# Altium PCB Archimajor.PcbDoc (part 6 of 12) (continued)
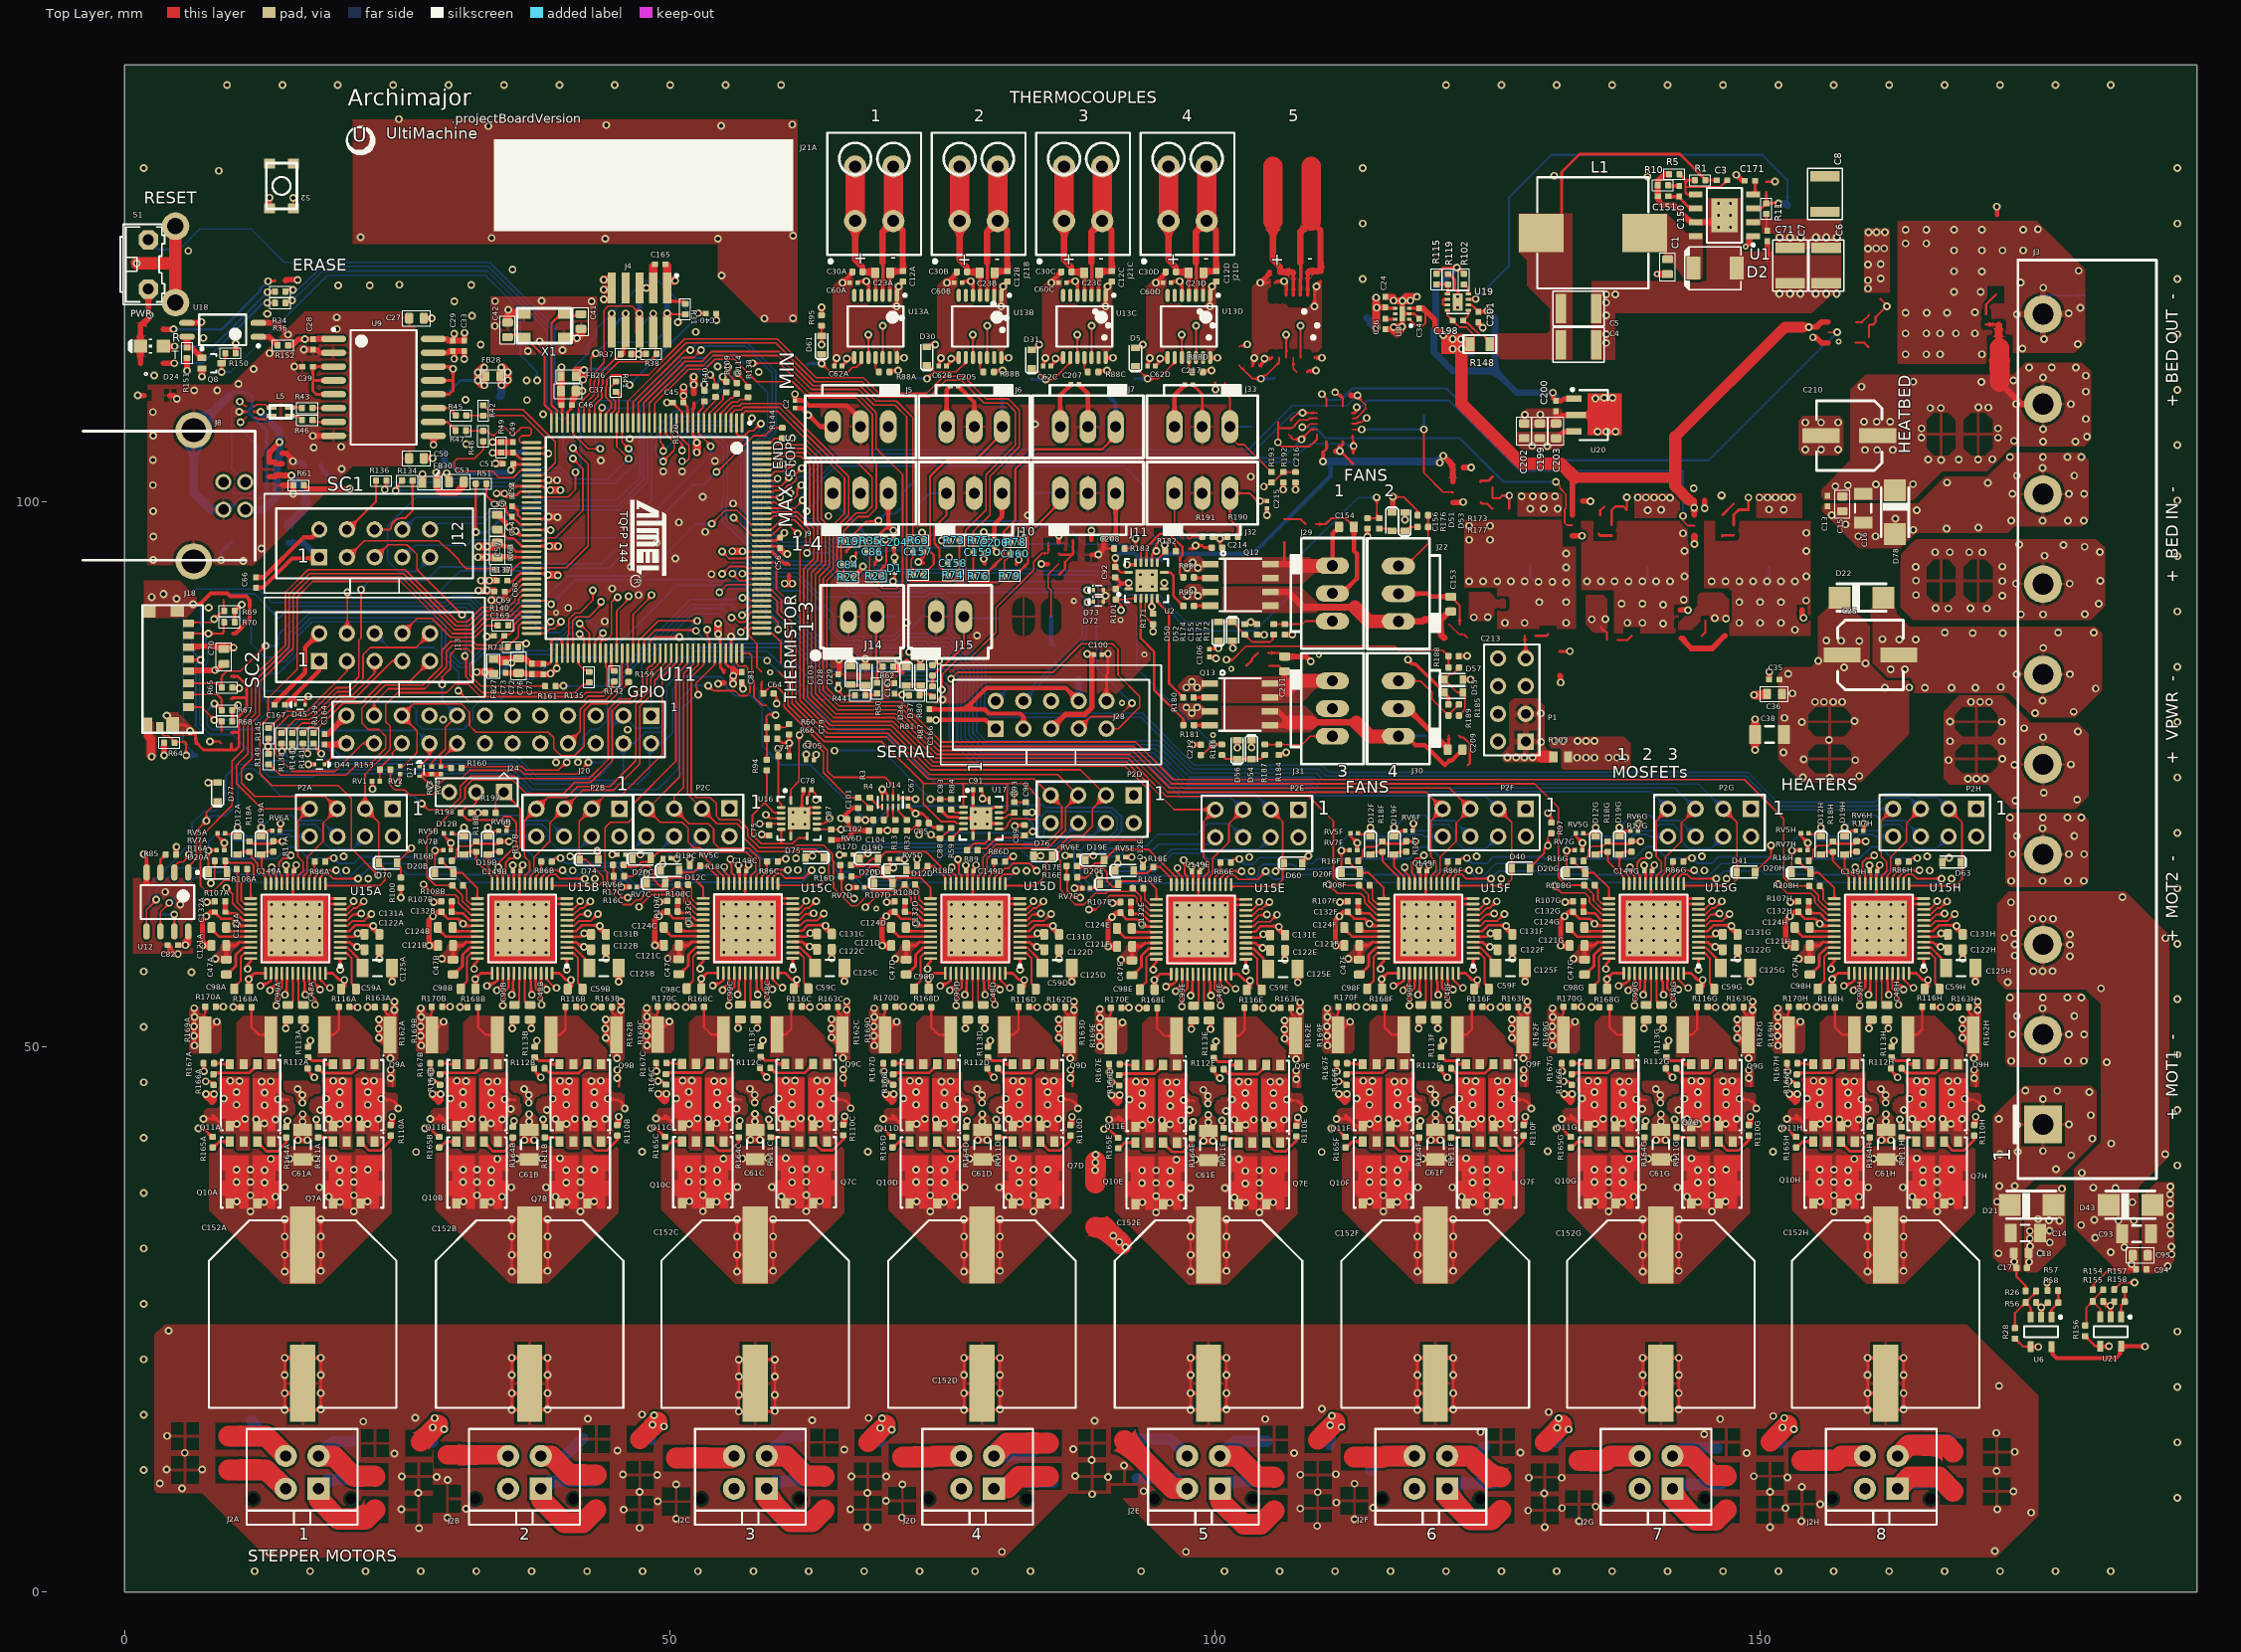
[diagram p0: Top Layer view]
## Nets (pads, with @x,y where several pads share a name; then routed paths per layer and width w, separated by ;. In a path a pad name is that pad's centre, name@x,y a point inside that pad or via, vN(x,y) a via of type N, cw(c..) or ccw(c..) an arc to the next point about the centre after c; other vN are vias at no path point) (continued)
  Top Layer w0.254: R167E.2@90.288,48.4 90.245,48.357 90.323,48.28 v1(90.323,47.664) ; v1(95.495,55.5) 96.072,55.73
  Mid1 w0.254: v1(90.323,47.664) 90.27,47.664 90.252,47.682 90.34,47.682 95.495,52.837 v1(95.495,55.5)
LA2F: R167F.2 U15F.38 | length 12.6
  Top Layer w0.229: 117.003,55.83 117.067,55.894 117.307,56.045 U15F.38@117.307,56.735
  Top Layer w0.254: R167F.2@111.13,48.475 111.087,48.433 111.165,48.356 v1(111.165,47.74) ; v1(116.337,55.575) 116.914,55.805
  Mid1 w0.254: v1(111.165,47.74) 111.112,47.74 111.095,47.758 111.182,47.758 116.337,52.913 v1(116.337,55.575)
LA2G: R167G.2 U15G.38 | length 12.6
  Top Layer w0.229: 137.653,55.83 137.717,55.894 137.958,56.045 U15G.38@137.958,56.735
  Top Layer w0.254: R167G.2@131.78,48.475 131.738,48.433 131.815,48.356 v1(131.815,47.74) ; v1(136.988,55.575) 137.564,55.805
  Mid1 w0.254: v1(131.815,47.74) 131.762,47.74 131.745,47.758 131.833,47.758 136.988,52.913 v1(136.988,55.575)
LA2H: R167H.2 U15H.38 | length 12.6
  Top Layer w0.229: 158.303,55.83 158.367,55.894 158.608,56.045 U15H.38@158.608,56.735
  Top Layer w0.254: R167H.2@152.43,48.475 152.388,48.433 152.465,48.356 v1(152.465,47.74) ; v1(157.638,55.575) 158.214,55.805
  Mid1 w0.254: v1(152.465,47.74) 152.413,47.74 152.395,47.758 152.483,47.758 157.638,52.913 v1(157.638,55.575)
LB1A: R112A.1 U15A.47 | length 11.8
  Top Layer w0.178: U15A.47@17.932,56.735 17.932,56.149 18.518,55.563 18.771,55.563 18.771,55.462 v1(18.847,55.385)
  Top Layer w0.254: R112A.1@16.792,48.019 16.944,47.867 16.944,47.636 v1(17.399,47.181)
  Mid1 w0.178: v1@18.847,55.309 v1(18.847,55.385)
  Mid1 w0.254: v1(17.399,47.181) 18.847,48.629 v1@18.847,55.309
LB1B: R112B.1 U15B.47 | length 11.8
  Top Layer w0.178: U15B.47@38.707,56.735 38.707,56.149 39.293,55.563 39.546,55.563 39.546,55.462 v1(39.622,55.385)
  Top Layer w0.254: R112B.1@37.567,48.019 37.719,47.867 37.719,47.636 v1(38.174,47.181)
  Mid1 w0.178: v1@39.622,55.309 v1(39.622,55.385)
  Mid1 w0.254: v1(38.174,47.181) 39.622,48.629 v1@39.622,55.309
LB1C: R112C.1 U15C.47 | length 11.8
  Top Layer w0.178: U15C.47@59.415,56.76 59.415,56.173 60.001,55.588 60.253,55.588 60.253,55.486 v1(60.33,55.41)
  Top Layer w0.254: R112C.1@58.275,48.044 58.427,47.891 58.427,47.66 v1(58.882,47.206)
  Mid1 w0.178: v1@60.33,55.334 v1(60.33,55.41)
  Mid1 w0.254: v1(58.882,47.206) 60.33,48.653 v1@60.33,55.334
LB1D: R112D.1 U15D.47 | length 11.8
  Top Layer w0.178: U15D.47@80.257,56.735 80.257,56.149 80.843,55.563 81.096,55.563 81.096,55.462 v1(81.172,55.385)
  Top Layer w0.254: R112D.1@79.117,48.019 79.269,47.867 79.269,47.636 v1(79.724,47.181)
  Mid1 w0.178: v1@81.172,55.309 v1(81.172,55.385)
  Mid1 w0.254: v1(79.724,47.181) 81.172,48.629 v1@81.172,55.309
LB1E: R112E.1 U15E.47 | length 11.8
  Top Layer w0.178: U15E.47@100.965,56.66 100.965,56.073 101.551,55.488 101.803,55.488 101.803,55.386 v1(101.88,55.31)
  Top Layer w0.254: R112E.1@99.825,47.944 99.977,47.791 99.977,47.56 v1(100.432,47.106)
  Mid1 w0.178: v1@101.88,55.234 v1(101.88,55.31)
  Mid1 w0.254: v1(100.432,47.106) 101.88,48.553 v1@101.88,55.234
LB1F: R112F.1 U15F.47 | length 11.8
  Top Layer w0.178: U15F.47@121.807,56.735 121.807,56.149 122.393,55.563 122.646,55.563 122.646,55.462 v1(122.722,55.385)
  Top Layer w0.254: R112F.1@120.667,48.019 120.819,47.867 120.819,47.636 v1(121.274,47.181)
  Mid1 w0.178: v1@122.722,55.309 v1(122.722,55.385)
  Mid1 w0.254: v1(121.274,47.181) 122.722,48.629 v1@122.722,55.309
LB1G: R112G.1 U15G.47 | length 11.8
  Top Layer w0.178: U15G.47@142.458,56.735 142.458,56.149 143.043,55.563 143.296,55.563 143.296,55.462 v1(143.372,55.385)
  Top Layer w0.254: R112G.1@141.317,48.019 141.47,47.867 141.47,47.636 v1(141.924,47.181)
  Mid1 w0.178: v1@143.372,55.309 v1(143.372,55.385)
  Mid1 w0.254: v1(141.924,47.181) 143.372,48.629 v1@143.372,55.309
LB1H: R112H.1 U15H.47 | length 11.8
  Top Layer w0.178: U15H.47@163.108,56.735 163.108,56.149 163.694,55.563 163.946,55.563 163.946,55.462 v1(164.022,55.385)
  Top Layer w0.254: R112H.1@161.967,48.019 162.12,47.867 162.12,47.636 v1(162.574,47.181)
  Mid1 w0.178: v1@164.022,55.309 v1(164.022,55.385)
  Mid1 w0.254: v1(162.574,47.181) 164.022,48.629 v1@164.022,55.309
LB2A: R113A.2 U15A.46 | length 7.8
  Top Layer w0.229: U15A.46@17.432,56.735 17.432,55.835 v1@17.882,55.385
  Top Layer w0.254: R113A.2@16.739,49.874 17.043,50.178 v1(17.043,50.559) ; v1@17.882,55.385 17.932,55.335 v1(17.932,55.233)
  Mid1 w0.254: v1(17.043,50.559) 18.212,51.728 18.212,54.471 17.932,54.75 v1(17.932,55.233) v1@17.907,55.258
LB2B: R113B.2 U15B.46 | length 7.8
  Top Layer w0.229: U15B.46@38.207,56.735 38.207,55.835 v1@38.657,55.385
  Top Layer w0.254: R113B.2@37.514,49.874 37.818,50.178 v1(37.818,50.559) ; v1@38.657,55.385 38.707,55.335 v1(38.707,55.233)
  Mid1 w0.254: v1(37.818,50.559) 38.987,51.728 38.987,54.471 38.707,54.75 v1(38.707,55.233) v1@38.682,55.258
LB2C: R113C.2 U15C.46 | length 7.8
  Top Layer w0.229: U15C.46@58.915,56.76 58.915,55.859 v1@59.364,55.41
  Top Layer w0.254: R113C.2@58.221,49.898 58.526,50.203 v1(58.526,50.584) ; v1@59.364,55.41 59.415,55.359 v1(59.415,55.257)
  Mid1 w0.254: v1(58.526,50.584) 59.695,51.752 59.695,54.495 59.415,54.775 v1(59.415,55.257) v1@59.39,55.283
LB2D: R113D.2 U15D.46 | length 7.8
  Top Layer w0.229: U15D.46@79.757,56.735 79.757,55.835 v1@80.207,55.385
  Top Layer w0.254: R113D.2@79.064,49.874 79.368,50.178 v1(79.368,50.559) ; v1@80.207,55.385 80.257,55.335 v1(80.257,55.233)
  Mid1 w0.254: v1(79.368,50.559) 80.537,51.728 80.537,54.471 80.257,54.75 v1(80.257,55.233) v1@80.232,55.258
LB2E: R113E.2 U15E.46 | length 7.8
  Top Layer w0.229: U15E.46@100.465,56.66 100.465,55.759 v1@100.914,55.31
  Top Layer w0.254: R113E.2@99.771,49.798 100.076,50.103 v1(100.076,50.484) ; v1@100.914,55.31 100.965,55.259 v1(100.965,55.157)
  Mid1 w0.254: v1(100.076,50.484) 101.245,51.652 101.245,54.395 100.965,54.675 v1(100.965,55.157) v1@100.94,55.183
LB2F: R113F.2 U15F.46 | length 7.8
  Top Layer w0.229: U15F.46@121.307,56.735 121.307,55.835 v1@121.757,55.385
  Top Layer w0.254: R113F.2@120.614,49.874 120.918,50.178 v1(120.918,50.559) ; v1@121.757,55.385 121.807,55.335 v1(121.807,55.233)
  Mid1 w0.254: v1(120.918,50.559) 122.087,51.728 122.087,54.471 121.807,54.75 v1(121.807,55.233) v1@121.782,55.258
LB2G: R113G.2 U15G.46 | length 7.8
  Top Layer w0.229: U15G.46@141.958,56.735 141.958,55.835 v1@142.407,55.385
  Top Layer w0.254: R113G.2@141.264,49.874 141.569,50.178 v1(141.569,50.559) ; v1@142.407,55.385 142.458,55.335 v1(142.458,55.233)
  Mid1 w0.254: v1(141.569,50.559) 142.737,51.728 142.737,54.471 142.458,54.75 v1(142.458,55.233) v1@142.432,55.258
LB2H: R113H.2 U15H.46 | length 7.8
  Top Layer w0.229: U15H.46@162.608,56.735 162.608,55.835 v1@163.057,55.385
  Top Layer w0.254: R113H.2@161.914,49.874 162.219,50.178 v1(162.219,50.559) ; v1@163.057,55.385 163.108,55.335 v1(163.108,55.233)
  Mid1 w0.254: v1(162.219,50.559) 163.387,51.728 163.387,54.471 163.108,54.75 v1(163.108,55.233) v1@163.082,55.258
LED_0: R36.1 U11.55 | length 51.3
  Top Layer w0.152: R36.1@14.758,118.198 15.009,118.198 15.307,118.496 15.362,118.441 v1(15.362,118.426) ; U11.55@37.329,96.388 38.43,96.388 38.703,96.66 39.522,96.66 42.037,99.175 42.037,103.002 v1(41.12,103.919)
  Bottom Layer w0.152: v1(15.362,118.426) 15.402,118.426 15.985,119.01 15.985,119.03 16.002,119.046 16.085,119.046 18.162,121.124 33.281,121.124 38.722,115.683 38.722,108.776 40.234,107.265 40.234,104.805 v1(41.12,103.919)
LED_1: R34.1 U11.60 | length 55
  Top Layer w0.152: R34.1@14.759,119.241 14.915,119.398 14.912,119.402 v1(15.459,119.402) ; U11.60@37.329,93.888 38.457,93.888 38.489,93.919 40.515,93.919 42.52,95.924 42.52,103.435 41.123,104.832 v1(41.123,104.877)
  Bottom Layer w0.152: v1(15.459,119.402) 15.937,119.402 18.101,121.565 33.343,121.565 39.078,115.83 39.078,108.96 41.123,106.915 v1(41.123,104.877)
M_nCS1: D70.K P2A.3 U11.83 U15A.13 | length 49
  Top Layer w0.152: U15A.13@18.432,64.935 18.432,64.76 23.393,64.76 23.918,65.284 23.918,66.243 D70.K@23.3,66.861 23.3,70.575 P2A.3@22.065,71.81 22.065,74.976 24.352,77.263 24.352,79.395 23.952,79.795 23.952,81.358 25.044,82.45 29.503,82.45 30.328,83.275 31.46,83.275 32.641,82.094 41.93,82.094 42.328,82.492 43.8,82.492 44.248,82.94 44.248,84.68 44.132,84.796 ; U11.83@44.129,86.088 44.132,86.084 44.132,84.796
M_nCS2: D74.K P2B.3 U11.96 U15B.13 | length 31.7
  Top Layer w0.152: U15B.13@39.207,64.935 39.207,64.76 43.475,64.76 43.869,65.154 43.869,65.587 42.302,67.154 D74.K@41.746,67.154 41.682,67.218 41.682,70.652 P2B.3@42.84,71.81 44.04,73.01 45.525,73.01 49.315,76.8 49.315,83.788 49.34,83.814 49.34,83.94 50.533,85.133 50.533,85.19 50.629,85.286 U11.96@50.629,86.088
M_nCS3: D75.K P2C.3 U11.100 U15C.13 | length 36
  Top Layer w0.152: U11.100@52.629,86.088 52.61,86.069 52.61,85.043 51.617,84.049 51.617,73.15 P2C.3@52.933,71.834 54.318,70.449 56.178,70.449 56.788,69.839 56.788,69.153 58.047,67.894 61.56,67.894 61.785,68.119 63.357,68.119 63.818,67.658 63.918,67.658 64.142,67.434 D75.K@64.142,67.334 64.544,66.932 64.544,66.923 64.573,66.894 64.573,65.639 63.718,64.784 59.915,64.784 U15C.13@59.915,64.96
M_nCS4: D76.K P2D.3 U11.128 U15D.13 | length 66.9
  Top Layer w0.152: U11.128@58.429,97.388 59.276,97.388 60.186,98.298 61.423,98.298 62.49,97.232 62.49,96.082 61.92,95.512 61.92,81.761 64.579,79.101 70.166,79.101 73.886,75.382 87.66,75.382 P2D.3@89.993,73.049 88.743,71.799 88.743,70.209 87.893,69.359 86.702,69.359 85.272,67.93 85.272,67.745 84.986,67.458 84.986,67.258 84.473,66.746 84.473,65.676 83.557,64.76 80.757,64.76 U15D.13@80.757,64.935
M_nCS5: D60.K P2E.3 U11.120 U15E.13 | length 75.5
  Top Layer w0.152: v1(56.652,93.368) 56.671,93.388 U11.120@58.429,93.388 ; U15E.13@101.465,64.86 101.465,64.684 105.559,64.684 106.185,65.31 106.185,70.647 P2E.3@105.098,71.734
  Bottom Layer w0.152: v1(56.652,93.368) 56.803,93.368 57.137,93.034 57.433,93.034 58.412,92.055 58.412,91.214 64.776,84.85 67.075,84.85 67.511,84.414 73.302,84.414 73.488,84.6 75.831,84.6 76.439,83.992 76.439,83.466 76.358,83.385 76.358,78.063 78.212,76.209 94.048,76.209 97.023,73.234 103.598,73.234 P2E.3@105.098,71.734
M_nCS6: D40.K P2F.3 U11.119 U15F.13 | length 100.4
  Top Layer w0.152: v1(55.731,93.383) 56.38,92.733 56.931,92.733 57.085,92.888 U11.119@58.429,92.888 ; U15F.13@122.307,64.935 122.307,64.76 126.575,64.76 127.175,65.36 127.175,70.575 P2F.3@125.94,71.81
  Bottom Layer w0.152: v1(55.731,93.383) 55.768,93.383 56.414,94.029 56.998,94.029 57.298,93.729 57.298,93.723 58.768,92.253 58.768,91.456 64.079,86.144 66.906,86.144 67.278,85.772 67.278,85.272 67.781,84.769 73.155,84.769 74.405,86.019 74.931,86.019 76.794,84.156 76.794,83.318 76.714,83.238 76.714,78.21 78.326,76.598 94.209,76.598 97.184,73.623 108.654,73.623 109.257,73.02 124.73,73.02 P2F.3@125.94,71.81
M_nCS7: D41.K P2G.3 U11.13 U15G.13 | length 137.8
  Top Layer w0.152: U11.13@50.629,107.188 50.629,106.228 51.772,105.085 51.772,103.918 51.532,103.678 v1(51.124,103.678) ; U15G.13@142.958,64.935 142.958,64.76 147.225,64.76 147.825,65.36 147.825,70.575 P2G.3@146.59,71.81
  Bottom Layer w0.152: v1(51.124,103.678) 51.608,103.678 51.766,103.836 51.766,105.692 52.17,106.096 53.831,106.096 54.918,105.009 54.918,100.335 54.802,100.22 54.802,98.149 55.433,97.519 55.514,97.519 57.618,95.415 57.618,94.918 58.365,94.171 58.365,94.165 59.883,92.647 59.883,92.197 60.271,91.809 61.943,91.809 64.644,89.108 64.644,88.282 65.664,87.262 67.365,87.262 67.428,87.2 67.525,87.2 67.818,86.907 70.777,86.907 71.396,87.525 73.58,87.525 74.02,87.086 75.424,87.086 77.861,84.649 77.861,82.877 77.781,82.796 77.781,78.723 78.82,77.684 94.659,77.684 97.634,74.709 109.104,74.709 109.726,74.087 144.313,74.087 P2G.3@146.59,71.81
M_nCS8: D63.K P2H.3 U11.15 U15H.13 | length 162.5
  Top Layer w0.152: v1(49.388,103.666) 50.391,104.67 50.391,105.42 49.629,106.182 U11.15@49.629,107.188 ; U15H.13@163.608,64.935 163.608,64.76 167.875,64.76 168.475,65.36 168.475,70.575 P2H.3@167.24,71.81
  Bottom Layer w0.152: v1(49.388,103.666) 48.692,104.362 48.692,105.381 50.639,107.328 55.499,107.328 56.848,105.979 56.848,97.693 58.685,95.856 58.685,95.36 59.432,94.613 59.432,94.607 60.22,93.818 64.407,93.818 66.633,91.593 68.657,91.593 68.991,91.259 73.522,91.259 73.843,91.58 75.001,91.58 75.819,90.762 75.819,88.2 78.928,85.091 78.928,82.435 78.848,82.354 78.848,81.205 79.492,80.56 93.34,80.56 98.07,75.83 109.781,75.83 110.446,75.165 148.817,75.165 151.561,72.421 160.526,72.421 161.301,73.195 164.137,73.195 164.473,72.859 166.191,72.859 P2H.3@167.24,71.81
MAX_ES1: C86.1 R23.1 R35.1 U11.32 | length 62.1
  Top Layer w0.152: U11.32@41.129,107.188 41.129,106.199 42.503,104.826 v1(43.625,104.826) ; v1(57.568,112.659) 60.071,112.659 62.822,109.909 67.162,109.909 68.923,108.148 68.923,104.879 71.343,102.459 71.343,92.584 70.768,92.009 69.563,92.009 68.666,92.906 68.66,92.906 68.438,93.128 R23.1@68.438,93.134 68.294,93.279 68.328,93.313 68.328,95.174 67.916,95.586 R35.1@67.916,96.43
  Bottom Layer w0.152: v1(43.625,104.826) 43.151,105.299 43.151,108.864 43.523,109.236 46.867,109.236 50.776,113.146 53.226,113.146 53.801,113.721 55.735,113.721 56.796,112.659 v1(57.568,112.659)
MAX_ES2: C158.1 R73.1 R74.1 U11.18 | length 52.7
  Top Layer w0.152: U11.18@48.129,107.188 48.129,109.01 51.578,112.459 51.597,112.459 51.602,112.465 53.071,112.465 53.979,113.374 59.86,113.374 62.969,110.264 67.31,110.264 68.735,108.839 70.638,108.839 71.718,107.759 71.718,92.939 72.001,92.656 75.861,92.656 R74.1@76.462,93.256
  Top Layer w0.203: R74.1@76.462,93.256 76.552,93.346 76.552,94.311 R73.1@76.552,96.421
MAX_ES3: C160.1 R78.1 R79.1 U11.22 | length 68.2
  Top Layer w0.152: U11.22@46.129,107.188 46.129,109.168 51.496,114.534 59.705,114.534 63.264,110.976 67.604,110.976 69.03,109.55 73.775,109.55 75.328,111.127 76.704,111.127 78.82,109.012 80.918,109.012 81.682,108.247 81.682,105.156 78.982,102.456 78.982,99.206 77.132,97.356 77.132,92.931 77.482,92.581 80.097,92.581 R79.1@80.684,93.167 80.684,94.515 81.032,94.864 81.032,95.106 81.132,95.206 C160.1@81.221,95.206 81.221,96.256 R78.1@81.219,96.258
MAX_ES4: C216.1 R192.1 R193.1 U11.122 | length 56.6
  Top Layer w0.152: U11.122@58.429,94.388 59.59,94.388 59.768,94.209 59.768,91.936 60.82,90.884 v1(61.243,90.884) ; v1(104.468,101.359) 104.619,101.359 104.808,101.548 104.987,101.548 R193.1@105.168,101.729 105.349,101.911 105.489,101.911 106.061,102.483 106.061,102.489 106.262,102.689 R192.1@106.268,102.689 106.273,102.684 C216.1@107.368,102.684
  Mid1 w0.152: v1(61.243,90.884) 63.918,90.884 66.458,93.425 72.991,93.425 77.675,98.109 101.217,98.109 v1(104.468,101.359)
MCCDA: J18.3 R65.2 TP15.1 U11.72 | length 43.2
  Top Layer w0.152: J18.3@5.89,83.326 8.52,83.326 R65.2@8.892,82.955 ; R65.2@8.892,82.83 R65.2@8.892,82.955 ; R65.2@8.916,82.931 R65.2@8.892,82.955 ; v1(12.929,86.754) 10.621,84.447 9.397,84.447 8.897,83.947 8.892,83.942 8.892,83.407 ; U11.72@37.329,87.888 38.573,87.888 39.009,88.323 39.388,88.323 v1(40.027,88.962) ; R65.2@8.892,82.955 8.892,83.4 ; 8.892,83.4 8.9,83.407 8.892,83.407 ; 8.892,83.4 8.892,83.407
  Bottom Layer w0.152: v1(12.929,86.754) 12.942,86.741 TP15.1@14.097,86.741 14.097,87.77 16.358,90.031 29.708,90.031 30.317,90.641 31.557,90.641 32.624,89.574 37.389,89.574 38.633,88.329 39.394,88.329 v1(40.027,88.962)
MCCK: J18.5 TP21.1 U11.71 | length 53.3
  Top Layer w0.152: J18.5@5.89,85.471 v1(6.985,85.471) ; v1(7.823,77.981) 8.698,77.981 8.897,77.782 ; U11.71@37.329,88.388 38.514,88.388 v1(39.091,88.964)
  Bottom Layer w0.152: v1@7.975,77.981 6.553,79.403 6.553,85.039 v1(6.985,85.471) 6.985,85.496 6.175,86.306 6.175,87.681 7.012,88.518 7.012,90.718 7.825,91.531 11.9,91.531 TP21.1@14.15,89.281 15.255,90.387 29.56,90.387 30.17,90.996 31.704,90.996 32.771,89.929 38.125,89.929 v1(39.091,88.964)
MCDA0: J18.7 R70.2 TP14.1 U11.107 | length 78.7
  Top Layer w0.152: J18.7@5.89,87.726 6.046,87.882 v1@7.696,87.882 ; v1(7.696,87.872) v1@7.696,87.882 ; v1@7.696,87.897 v1@7.696,87.882 ; R70.2@9.093,88.824 9.093,88.506 9.1,88.499 9.1,87.882 v1@7.696,87.882 ; v1(53.519,83.104) 53.987,82.635 55.975,82.635 56.435,82.175 57.038,82.175 57.356,82.493 57.356,83.156 57.156,83.355 57.156,84.727 56.97,84.912 56.801,84.912 56.796,84.908 56.32,84.908 56.129,85.099 U11.107@56.129,86.088
  Bottom Layer w0.152: v1@7.849,87.872 7.493,87.516 TP14.1@7.493,86.741 7.635,86.6 7.635,85.204 6.909,84.478 6.909,79.55 7.843,78.616 9.919,78.616 13.284,75.251 17.135,75.251 17.29,75.406 35.567,75.406 37.398,73.575 48.883,73.575 50.793,75.484 50.793,81.709 52.187,83.104 v1(53.519,83.104)
MCDA1: J18.8 R69.2 TP20.1 U11.81 | length 50.3
  Top Layer w0.152: J18.8@5.89,88.826 5.971,88.907 7.425,88.907 ; 7.577,88.907 7.425,88.907 ; v1@8.153,89.129 7.932,88.907 7.425,88.907 ; v1@8.235,89.193 8.775,89.732 8.909,89.732 R69.2@9.144,89.967 9.1,90.011 9.1,90.983 ; U11.81@43.129,86.088 43.148,86.106 43.148,87.184 v1(43.877,87.914)
  Bottom Layer w0.152: v1@8.375,89.206 11.535,89.206 TP20.1@11.61,89.281 11.61,89.206 11.61,86.968 12.852,85.725 14.554,85.725 15.037,86.208 15.037,87.821 16.891,89.675 29.855,89.675 30.465,90.285 31.293,90.285 32.36,89.218 37.109,89.218 38.354,87.974 39.966,87.974 41.452,89.459 42.25,89.459 43.796,87.914 v1(43.877,87.914)
  other v1: 8.223,89.206
MCDA2: J18.1 R68.1 TP16.1 U11.80 | length 55.4
  Top Layer w0.152: J18.1@5.89,81.126 7.076,81.126 8.115,80.087 8.242,80.087 v1@8.344,79.985 ; v1@8.446,79.883 v1@8.344,79.985 ; R68.1@8.824,79.883 R68.1@8.875,79.832 ; 8.897,78.816 8.897,79.81 R68.1@8.875,79.832 ; R68.1@8.918,79.832 R68.1@8.875,79.832 ; v1(41.732,88.786) 42.629,87.89 U11.80@42.629,86.088 ; v1@8.344,79.985 8.307,79.947 v1(8.255,79.947) 8.293,79.985 v1@8.344,79.985
  Top Layer w0.406: v1@8.446,79.883 R68.1@8.824,79.883
  Bottom Layer w0.152: v1(8.255,79.947) 12.383,79.947 TP16.1@14.097,81.661 12.993,81.661 12.116,82.538 12.116,83.757 13.677,85.319 14.707,85.319 15.469,86.081 15.469,87.72 17.069,89.32 28.748,89.32 29.439,88.629 29.439,86.516 30.798,85.157 31.461,85.157 32.601,86.297 32.606,86.297 32.695,86.386 35.742,86.386 35.83,86.297 38.802,86.297 41.291,88.786 v1(41.732,88.786)
MCDA3: J18.2 R67.1 TP22.1 U11.79 | length 59.3
  Top Layer w0.152: J18.2@5.89,82.226 5.971,82.307 8.48,82.307 8.897,81.89 R67.1@8.897,80.88 ; v1(8.255,81.458) 8.319,81.458 R67.1@8.897,80.88 ; v1(41.732,87.847) 41.783,87.847 42.129,87.501 U11.79@42.129,86.088 ; R67.1@8.897,80.88 8.897,80.869 R67.1@8.918,80.848 8.918,80.859 R67.1@8.897,80.88
  Bottom Layer w0.152: v1@8.407,81.458 8.331,81.382 8.179,81.382 7.595,80.798 7.595,79.528 8.039,79.084 13.069,79.084 15.062,81.077 15.062,82.144 14.58,82.626 12.866,82.626 12.522,82.97 12.522,83.661 13.063,84.201 TP22.1@14.097,84.201 15.824,85.928 15.824,87.572 17.216,88.964 28.6,88.964 29.083,88.482 29.083,86.368 30.65,84.801 31.613,84.801 32.842,86.03 35.594,86.03 35.683,85.942 38.961,85.942 40.866,87.847 v1(41.732,87.847)
MIN_ES1: C84.1 R19.1 R22.1 U11.17 | length 42.6
  Top Layer w0.152: U11.17@48.629,107.188 48.629,108.989 51.75,112.109 53.218,112.109 54.126,113.018 55.934,113.018 57.968,110.984 61.243,110.984 62.736,109.492 67.076,109.492 68.568,108 68.568,104.009 68.936,103.642 68.936,99.357 68.169,98.591 67.224,98.591 65.938,97.305 R19.1@65.938,96.334 65.938,96.29 65.694,96.046 65.694,94.283 65.927,94.051 R22.1@65.927,93.038
MIN_ES2: C157.1 R63.1 R72.1 U11.19 | length 45.5
  Top Layer w0.152: U11.19@47.629,107.188 47.629,109.049 51.414,112.834 52.937,112.834 53.832,113.729 60.007,113.729 63.116,110.62 67.457,110.62 68.882,109.195 70.785,109.195 72.288,107.692 R63.1@72.288,96.429 C157.1@72.289,95.379 72.289,94.828 72.158,94.697 72.158,93.944 72.285,93.817 R72.1@72.285,93.286
MIN_ES3: C159.1 R75.1 R76.1 U11.26 | length 64.8
  Top Layer w0.152: U11.26@44.129,107.188 44.129,108.037 44.421,108.329 44.421,108.356 44.636,108.571 44.636,109.055 44.122,109.569 44.122,110.523 44.217,110.618 44.217,111.134 44.679,111.596 48.054,111.596 51.348,114.89 59.852,114.89 63.411,111.331 67.752,111.331 69.177,109.906 73.542,109.906 75.119,111.483 76.923,111.483 79,109.406 81.032,109.406 82.057,108.381 82.057,105.006 79.338,102.287 79.338,98.762 77.822,97.246 R75.1@77.822,96.412 C159.1@77.822,95.337 ; R76.1@77.822,93.197 C159.1@77.822,95.337 ; C159.1@77.828,95.337 C159.1@77.822,95.337
MIN_ES4: C214.1 R190.1 R191.1 U11.140 | length 57.1
  Top Layer w0.152: U11.140@58.429,103.388 58.448,103.406 59.305,103.406 59.329,103.43 59.415,103.43 60.112,104.127 62.023,104.127 62.828,103.322 62.828,99.348 v1@62.629,99.148 ; R191.1@99.786,96.756 99.957,96.584 v1(100.443,96.584) ; C214.1@100.643,95.759 100.443,95.959 v1(100.443,96.584) ; R190.1@101.109,96.756 100.937,96.584 v1(100.443,96.584)
  Bottom Layer w0.152: v1(62.541,99.086) 63.668,100.213 63.668,101.705 65.218,103.254 91.598,103.254 93.768,101.084 93.768,97.434 94.582,96.621 100.407,96.621 v1(100.443,96.584)
MISO_M1BUS: C75.1 U12.2 U15A.15 U15B.15 U15C.15 U15D.15 U16.5 | length 125
  Top Layer w0.152: 2.032,60.571 2.032,62.557 2.918,63.442 v1(2.918,63.484)
  Top Layer w0.165: v1(73.943,69.434) 74.068,69.434 74.312,69.19 74.687,69.19 74.768,69.109 74.947,69.288 75.028,69.288 75.596,69.856 75.596,69.865 75.79,70.06 75.8,70.06
  Top Layer w0.166: U15A.15@17.432,64.935 17.432,65.515 18.109,66.191 18.866,66.191 18.975,66.083 19.472,66.083 19.4,66.155 v1(19.4,66.185) ; U15B.15@38.207,64.935 38.207,65.515 38.884,66.191 39.641,66.191 39.75,66.083 40.247,66.083 40.175,66.155 v1(40.175,66.185) ; U15C.15@58.915,64.96 58.915,65.539 59.592,66.216 60.349,66.216 60.457,66.107 60.955,66.107 60.868,66.194 v1(60.813,66.194) ; U15D.15@79.757,64.935 79.757,65.515 80.434,66.191 80.573,66.191 80.75,66.369 81.063,66.369 81.511,66.817 82.001,66.817 ; 82.002,66.818 82.959,66.818 v1(83.643,66.134)
  Mid1 w0.257: v1(73.943,69.434) 76.229,69.434 76.476,69.187 79.159,69.187 79.274,69.073 84.38,69.073 85.393,68.059 85.393,67.034 84.493,66.134 v1(83.643,66.134)
  Bottom Layer w0.152: v1(2.918,63.484) 2.918,64.409 4.893,66.385 7.075,66.385
  Bottom Layer w0.166: 7.075,66.385 9.725,66.385 10.35,65.76 16.2,65.76 16.625,66.185 v1(19.4,66.185) 19.4,66.165 20.055,65.51 20.6,65.51 21.875,66.785 26.175,66.785 26.575,66.385 30.5,66.385 31.125,65.76 36.975,65.76 37.4,66.185 v1(40.175,66.185) 40.175,66.165 40.83,65.51 41.375,65.51 42.349,66.484 45.206,66.484 46.832,64.858 50.481,64.858 51.408,65.784 57.713,65.784 58.123,66.194 v1(60.813,66.194) 60.853,66.154 60.853,65.711 61.022,65.542 61.545,65.542 ; 61.546,65.542 62.074,65.542 62.37,65.838 62.37,66.539 62.657,66.826 64.601,66.826 65.401,66.026 66.482,66.026 67.674,64.833 71.323,64.833 72.25,65.76 78.555,65.76 79.572,66.776 83.001,66.776 v1(83.643,66.134)
MISO_M2BUS: C87.1 U15E.15 U15F.15 U15G.15 U15H.15 U16.9 | length 120.4
  Top Layer w0.166: 78.216,68.155 78.989,68.155 79.999,69.165 82.199,69.165 82.214,69.181 82.339,69.181 82.518,69.359 82.508,69.359 82.5,69.367 82.796,69.663 83.196,69.663 v1(83.267,69.734) ; U15E.15@100.465,64.86 100.465,65.439 101.142,66.116 101.899,66.116 102.007,66.007 102.505,66.007 v1(102.418,66.094) ; U15F.15@121.307,64.935 121.307,65.515 121.984,66.191 122.741,66.191 122.85,66.083 123.347,66.083 123.275,66.155 v1(123.275,66.185) ; U15G.15@141.958,64.935 141.958,65.515 142.634,66.191 143.391,66.191 143.5,66.083 143.998,66.083 143.925,66.155 v1(143.925,66.185) ; U15H.15@162.608,64.935 162.608,65.515 163.284,66.191 164.042,66.191 164.15,66.083 164.648,66.083 164.575,66.155 v1(164.575,66.185)
  Bottom Layer w0.166: v1@83.268,69.735 83.268,70.434 82.576,71.126 82.576,71.767 82.968,72.159 84.193,72.159 84.437,71.915 90.575,71.915 91.399,71.092 91.399,69.768 90.241,68.609 88.243,68.609 87.618,67.984 87.618,65.809 88.67,64.758 90.155,64.758 91.081,65.684 99.263,65.684 99.673,66.094 v1(102.418,66.094) 102.444,66.094 102.698,65.84 102.698,65.819 103.074,65.442 103.095,65.442 103.624,65.442 103.982,65.801 103.982,66.339 104.369,66.726 107.101,66.726 107.568,66.259 109.549,66.259 109.675,66.385 113.6,66.385 114.225,65.76 120.075,65.76 120.5,66.185 v1(123.275,66.185) 123.275,66.165 123.93,65.51 124.475,65.51 125.75,66.785 129.925,66.785 130.325,66.385 134.25,66.385 134.875,65.76 140.725,65.76 141.15,66.185 v1(143.925,66.185) 143.925,66.165 144.58,65.51 145.125,65.51 146.4,66.785 150.575,66.785 150.975,66.385 154.9,66.385 155.525,65.76 161.375,65.76 161.8,66.185 v1(164.575,66.185) v1@164.575,66.165
MISO_TCBUS: C74.1 U16.2
MOSI_M1BUS: C88.1 R59.1 R86A.1 R86B.1 R86C.1 R86D.1 U12.5 | length 115.8
  Top Layer w0.166: 4.572,65.971 4.572,66.538 4.736,66.701 ; 4.736,66.702 4.968,66.934 5.368,66.934 5.918,67.484 v1(5.918,67.634) ; R86A.1@18.405,66.96 18.405,66.966 18.627,67.189 18.634,67.189 18.73,67.285 v1(19.2,67.285) ; R86B.1@39.18,66.96 39.18,66.966 39.402,67.189 39.409,67.189 39.505,67.285 v1(39.975,67.285) ; v1(58.243,70.434) 60.212,70.434 ; R86C.1@59.888,66.984 60.033,67.13 60.537,67.13 v1(60.641,67.234) ; R86D.1@80.73,66.96 80.73,66.966 80.952,67.189 80.959,67.189 81.229,67.459 v1(81.492,67.459)
  Mid1 w0.257: v1@58.241,70.559 58.676,70.124 58.694,70.124 60.408,68.409 69.05,68.409 69.575,67.884 78.619,67.884 79.044,67.459 v1(81.492,67.459)
  Bottom Layer w0.166: v1(5.918,67.634) 5.963,67.634 6.363,67.235 13.9,67.235 14.975,68.31 15.825,68.31 16.85,67.285 v1(19.2,67.285) 19.675,66.81 21.025,66.81 21.625,67.41 26.3,67.41 26.475,67.235 34.675,67.235 35.75,68.31 36.6,68.31 37.625,67.285 v1(39.975,67.285) 40.45,66.81 42.152,66.81 42.196,66.854 45.95,66.854 47.576,65.227 50.176,65.227 51.133,66.184 52.933,66.184 54.6,67.851 57.791,67.851 58.408,67.234 v1(60.641,67.234) 60.641,67.309 61.516,68.184 63.868,68.184 65.476,66.576 67.045,66.576 68.419,65.203 71.018,65.203 71.975,66.16 73.775,66.16 75.442,67.827 78.633,67.827 78.997,67.463 78.993,67.459 v1(81.492,67.459)
MOSI_M2BUS: C89.1 R86E.1 R86F.1 R86G.1 R86H.1 R89.1 | length 131
  Top Layer w0.165: 63.474,69.934 64.768,69.934 64.793,69.909 v1(65.693,69.909)
  Top Layer w0.166: R86E.1@101.438,66.884 101.438,66.891 101.66,67.113 101.666,67.113 101.763,67.209 v1(102.233,67.209) ; R86F.1@122.28,66.96 122.28,66.966 122.502,67.189 122.509,67.189 122.605,67.285 v1(123.075,67.285) ; R86G.1@142.93,66.96 142.93,66.966 143.153,67.189 143.159,67.189 143.255,67.285 v1(143.725,67.285) ; R86H.1@163.58,66.96 163.58,66.966 163.803,67.189 163.809,67.189 163.905,67.285 v1(164.375,67.285)
  Bottom Layer w0.165: v1(65.693,69.909) 68.218,69.909 70.377,72.068 74.902,72.068 74.918,72.084 81.968,72.084 84.068,74.184 93.518,74.184 93.968,73.734 93.968,69.759 93.318,69.109 91.668,69.109 90.734,68.175 88.592,68.175 88.068,67.651 88.068,66.186
  Bottom Layer w0.166: 88.068,66.186 89.126,65.127 89.949,65.127 90.906,66.084 94.483,66.084 96.15,67.751 98.826,67.751 99.368,67.209 v1(102.233,67.209) 102.708,66.734 103.483,66.734 104.083,67.334 107.543,67.334 108.093,66.784 108.968,66.784 109.418,67.235 117.775,67.235 118.85,68.31 119.7,68.31 120.725,67.285 v1(123.075,67.285) 123.55,66.81 124.9,66.81 125.5,67.41 130.05,67.41 130.225,67.235 138.425,67.235 139.5,68.31 140.35,68.31 141.375,67.285 v1(143.725,67.285) 144.2,66.81 145.55,66.81 146.15,67.41 150.7,67.41 150.875,67.235 159.075,67.235 160.15,68.31 161,68.31 162.025,67.285 v1(164.375,67.285)
MOSI_TCBUS: C83.1 R84.1 R88A.2 R88B.2 R88C.2 R88D.2 | length 128.3
  Top Layer w0.165: 59.912,76.634 59.912,76.734 ; v1@59.912,77.309 59.912,76.734 ; 60.212,71.934 60.212,72.234 59.962,72.484 59.962,76.684 59.912,76.734
  Top Layer w0.257: R88A.2@70.14,111.859 70.255,111.975 70.902,111.975 v1(70.939,112.011) ; R88B.2@79.716,111.859 79.831,111.975 80.478,111.975 v1(80.514,112.011) ; R88C.2@89.291,111.859 89.407,111.975 90.053,111.975 v1(90.09,112.011) ; R88D.2@98.867,111.859 98.982,111.975 99.629,111.975 v1(99.666,112.011) ; 108.443,111.859 108.558,111.975 109.205,111.975 v1(109.242,112.011)
  Mid1 w0.257: v1(59.918,77.309) 59.918,78.334 62.943,81.359 67.493,81.359 69.043,82.909 69.043,85.284 70.51,86.752 72.191,86.752 72.246,86.697 96.631,86.697 115.7,105.766 115.7,108.318 114.406,109.612 112.034,111.984 109.49,111.984 99.765,111.984 90.265,111.984 v1@80.79,111.984 ; v1@70.939,112.009 v1@80.765,112.009